# KiCad board TRS80_Model_I_Jap20_E1.kicad_pcb (continued)
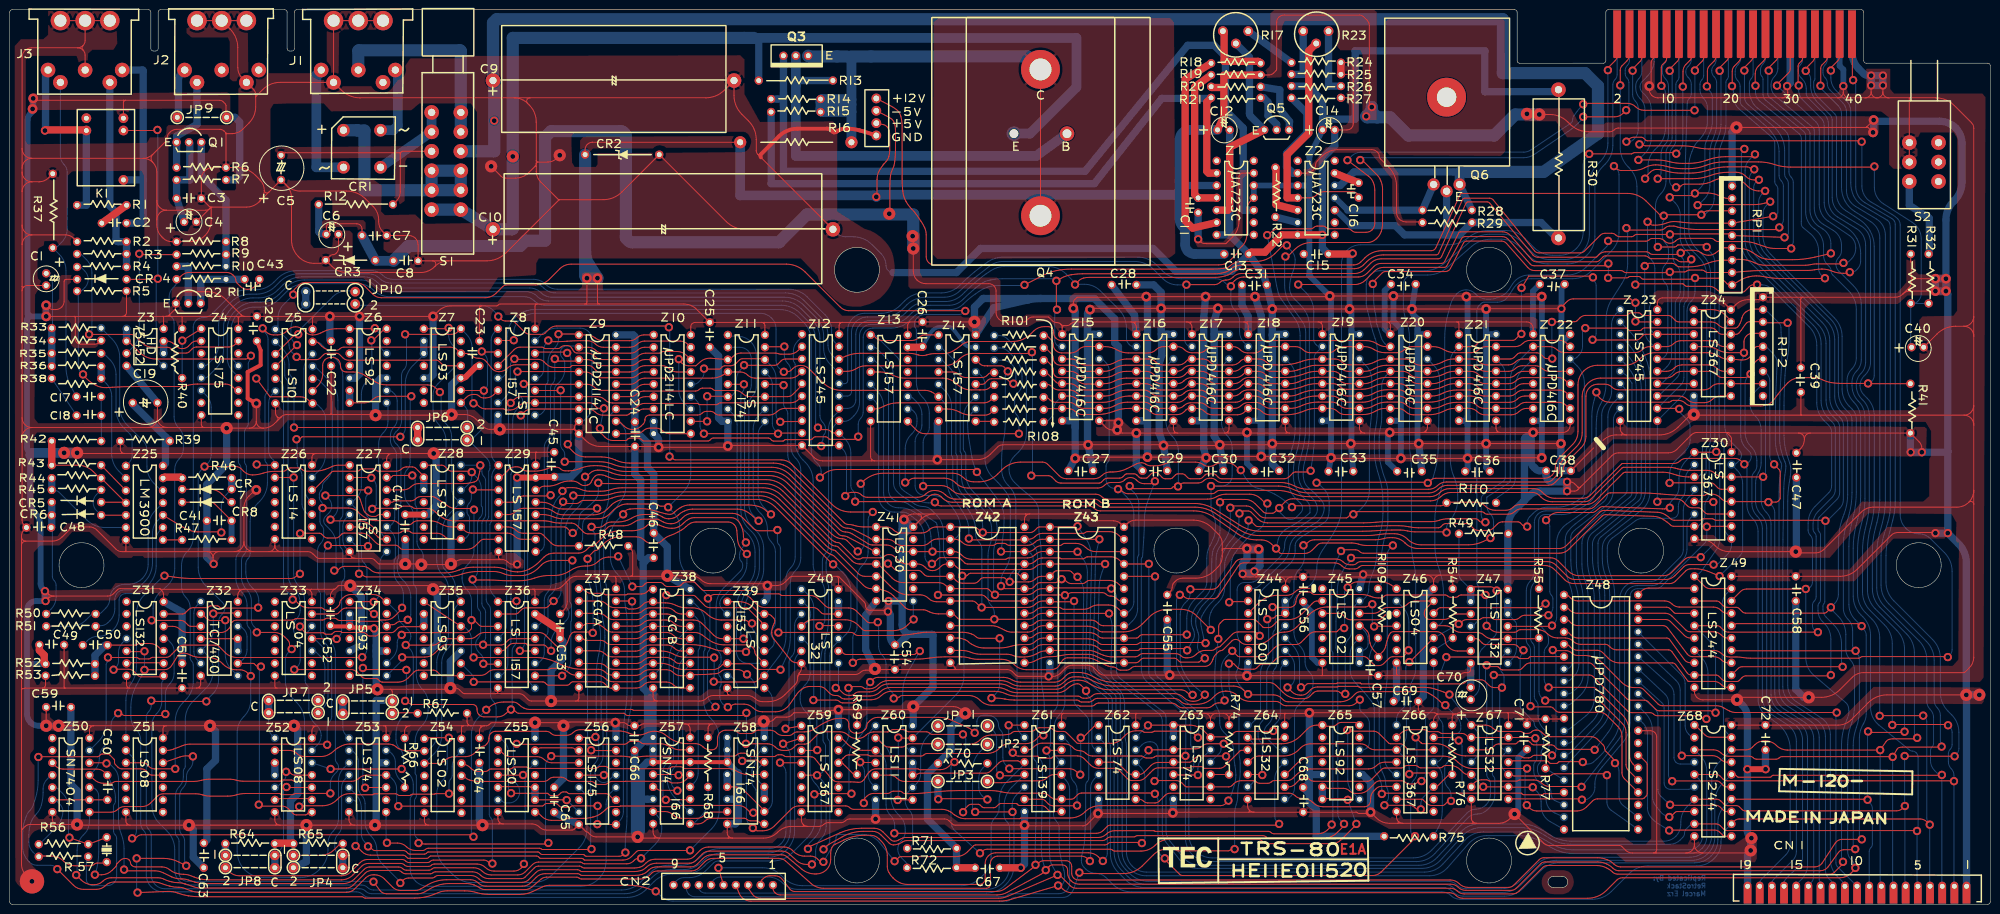
[diagram p0: board, top side]
## Routing (per net, layer and track width the routed paths; a pad name or vN(x,y) marks a point on that pad's centre or on a via; arc(x,y) is an arc through that point) (continued)
Net-(Z48-~{M1}): length 94.9
  Top w0.2: Z48.27 334.76,30.63 arc(334.86,30.6) 334.95,30.55 336.3,29.2 arc(336.45,28.98) 336.5,28.72 336.5,22.76 arc(336.44,22.49) 336.29,22.27 335.9,21.88 arc(335.69,21.73) 335.44,21.69 326.31,21.69 arc(325.75,21.57) 325.27,21.25 324.03,20.01 arc(323.13,19.41) 322.06,19.2 313.8,19.2 arc(313.02,19.35) 312.35,19.79 v2(311.76,20.39) ; 262,26.69 262.11,26.69 arc(262.22,26.71) 262.31,26.77 264.42,28.88 arc(266.18,30.06) 268.27,30.47 294.57,30.47 arc(296.23,30.14) 297.64,29.2 arc(299.04,28.26) 300.7,27.93 v2(311.81,27.93)
  Bottom w0.2: v2(311.76,20.39) 311.58,20.57 arc(311.45,20.76) 311.4,21 311.4,27.24 arc(311.45,27.51) 311.61,27.73 v2(311.81,27.93)
Net-(Z48-~{NMI}): length 72.5
  Top w0.2: v2(281.96,22.7) 282.04,22.78 arc(282.12,22.83) 282.22,22.85 310.6,22.85 arc(310.64,22.85) 310.67,22.83 310.83,22.66 arc(310.99,22.56) 311.17,22.52 314.96,22.52 arc(315.03,22.54) 315.08,22.57 315.2,22.69 arc(315.27,22.74) 315.35,22.75 318.97,22.75 arc(319.14,22.79) 319.28,22.88 Z48.17
  Bottom w0.2: Z45.10 276.41,53.8 arc(275.71,52.75) 275.46,51.5 275.46,48.33 arc(275.77,46.76) 276.67,45.42 arc(277.84,44.18) 278.94,42.88 279.82,41.79 arc(280.26,40.99) 280.41,40.08 280.41,27.95 arc(280.53,27.37) 280.86,26.88 arc(281.25,26.4) 281.52,25.85 281.63,25.55 arc(281.88,24.64) 281.96,23.71 v2(281.96,22.7)
Net-(Z48-~{RD}): length 117
  Top w0.2: v2(306.65,44.57) 305.06,44.57 arc(304.51,44.68) 304.05,44.99 303.25,45.79 arc(302.83,46.07) 302.33,46.17 299.77,46.17 arc(299.6,46.14) 299.46,46.04 299.04,45.62 arc(298.72,45.41) 298.34,45.33 277.81,45.33 arc(277.73,45.35) 277.66,45.4 277.57,45.49 arc(277.54,45.5) 277.51,45.51 272.86,45.51 arc(272.78,45.49) 272.71,45.45 arc(272.63,45.4) 272.55,45.38 266.81,45.38 arc(266.66,45.35) 266.53,45.27 266.07,44.81 arc(265.86,44.67) 265.62,44.62 v2(265.35,44.62) ; v2(328.22,26.56) 328.08,26.7 arc(327.92,26.81) 327.74,26.84 317.41,26.84 arc(317.12,26.78) 316.86,26.61 arc(316.61,26.44) 316.31,26.38 309.18,26.38 arc(308.98,26.42) 308.81,26.54 arc(308.64,26.65) 308.44,26.69 307.97,26.69
  Bottom w0.2: v2(328.22,26.56) 328.22,21.03 arc(328.45,20.08) 329.09,19.34 Z48.21 ; Z44.10 263.59,53.3 arc(264.67,51.68) 265.05,49.77 265.05,45.14 arc(265.09,44.94) 265.2,44.77 v2(265.35,44.62) ; 307.97,26.69 307.17,27.49 arc(306.64,28.29) 306.45,29.23 arc(306.64,30.17) 307.17,30.96 307.79,31.59 arc(307.82,31.7) 307.72,31.77 307.46,31.77 arc(307,31.86) 306.6,32.13 306.58,32.15 arc(306.29,32.57) 306.19,33.07 306.19,43.79 arc(306.25,44.09) 306.42,44.34 v2(306.65,44.57) 306.87,44.79 arc(307.03,45.03) 307.08,45.31 307.08,46.72 arc(306.98,47.22) 306.7,47.64 arc(306.42,48.07) 306.32,48.56 306.32,49.49 arc(306.52,50.48) 307.08,51.33 Z47.9
Net-(Z48-~{RESET}): length 72
  Top w0.2: v2(315.62,61.84) 315.47,61.84 arc(315.33,61.81) 315.21,61.73 314.89,61.42 arc(314.43,61.11) 313.88,61 294.05,61 arc(293.77,60.95) 293.53,60.79 293.33,60.58 arc(293.32,60.57) 293.32,60.56 arc(293.31,60.55) 293.31,60.54 Z46.12 ; Z48.26 334.49,28.09 arc(334.35,28.11) 334.23,28.19 333.61,28.81 arc(333.08,29.61) 332.89,30.56 332.89,35.2 arc(332.48,37.29) 331.3,39.05 325.98,44.37 arc(325.7,44.56) 325.37,44.62 316.27,44.62 arc(316.25,44.62) 316.24,44.61 v2(316.23,44.6)
  Bottom w0.2: v2(316.23,44.6) 316.23,44.66 arc(316.22,44.72) 316.18,44.77 315.78,45.17 arc(315.45,45.66) 315.34,46.24 315.34,51.84 arc(315.45,52.42) 315.78,52.91 arc(316.11,53.41) 316.23,53.99 316.23,54.44 arc(316.03,55.44) 315.46,56.28 315.28,56.47 arc(314.57,57.53) 314.32,58.77 314.32,59.56 arc(314.49,60.4) 314.97,61.12 315.59,61.74 arc(315.61,61.77) 315.62,61.8 v2(315.62,61.84)
Net-(Z48-~{WR}): length 106.7
  Top w0.2: v2(262.58,44.6) 263.43,43.75 arc(264.24,43.21) 265.19,43.02 265.49,43.02 arc(266.16,43.15) 266.73,43.53 267.3,44.11 arc(267.96,44.54) 268.73,44.7 272.81,44.7 arc(272.89,44.71) 272.96,44.76 arc(273.03,44.81) 273.11,44.82 276.99,44.82 arc(277.13,44.8) 277.24,44.72 arc(277.35,44.65) 277.48,44.62 290.67,44.62 arc(291.9,44.52) 293.1,44.21 294.72,43.65 arc(294.98,43.53) 295.2,43.35 295.24,43.31 arc(295.42,43.19) 295.63,43.15 v2(295.86,43.15) ; v2(329.88,29.04) 329.61,29.31 329.61,29.57 arc(329.56,29.82) 329.43,30.03 328,31.45 arc(327.8,31.75) 327.73,32.1 arc(327.66,32.45) 327.46,32.75 326.28,33.93 arc(325.7,34.32) 325.01,34.46 316.72,34.46 arc(315.82,34.64) 315.06,35.15 314.82,35.38 arc(314.33,35.72) 313.74,35.83 313.59,35.83 arc(313.14,35.74) 312.76,35.49 arc(312.38,35.24) 311.93,35.15 311.41,35.15 arc(311.14,35.2) 310.92,35.35 arc(310.69,35.5) 310.43,35.55 306.37,35.55 arc(305.53,35.72) 304.81,36.2 arc(304.09,36.68) 303.25,36.85 300.35,36.85
  Bottom w0.2: v2(262.58,44.6) 262.74,44.6 arc(262.88,44.62) 263,44.7 263.46,45.17 arc(263.88,45.8) 264.03,46.55 264.03,48.96 arc(263.78,50.21) 263.08,51.26 Z44.9 ; v2(295.86,43.15) 295.86,43.01 arc(295.88,42.88) 295.96,42.77 296.2,42.53 arc(296.53,42.17) 296.82,41.79 300.01,37.32 arc(300.37,36.86) 300.77,36.44 301.18,36.02 arc(301.79,35.11) 302,34.03 302,32.05 arc(301.79,30.97) 301.18,30.05 Z67.4 ; v2(329.88,29.04) 330.16,28.76 arc(330.56,28.15) 330.71,27.44 330.71,22.09 arc(330.94,21.09) 331.59,20.29 Z48.22
Net-(Z49-OEa): length 187.2
  Top w0.2: v2(341.15,81.55) 340.67,81.55 arc(340.52,81.52) 340.4,81.44 arc(340.27,81.35) 340.12,81.32 340.07,81.32 arc(339.85,81.33) 339.63,81.33 327.31,81.8 arc(327.04,81.76) 326.8,81.62 325.86,80.83 arc(325.55,80.65) 325.2,80.59 318.19,80.59 arc(317.25,80.4) 316.44,79.86 315.76,79.18 arc(315.73,79.14) 315.72,79.08 v2(315.72,79.01) ; v2(287.6,49.83) 287.64,49.83 arc(287.68,49.84) 287.71,49.86 Z46.10 ; v2(350.7,93.06) 350.66,93.02 arc(350.62,92.99) 350.57,92.98 Z30.1 ; 346.2,36.85 346.28,36.85 arc(346.35,36.83) 346.41,36.8 348.34,34.86 arc(348.9,34.49) 349.55,34.36 353.73,34.36 arc(353.77,34.35) 353.79,34.33 353.82,34.31 ; Z49.1 346.21,67.46 arc(346.22,67.45) 346.23,67.45 348.26,65.42 arc(348.82,65.05) 349.48,64.92 Z49.19 ; v2(297.76,57.65) 297.84,57.65 arc(297.91,57.67) 297.97,57.71 298.37,58.1 arc(298.87,58.44) 299.46,58.56 301.92,58.56 arc(302.18,58.61) 302.39,58.75 arc(302.61,58.9) 302.86,58.95 304.32,58.95 arc(304.57,58.9) 304.79,58.75 arc(305,58.61) 305.26,58.56 309.24,58.56 arc(309.82,58.67) 310.32,59.01 arc(310.82,59.34) 311.4,59.46 v2(316.2,59.46)
  Bottom w0.2: 353.82,34.31 352.99,35.13 arc(352.38,36.05) 352.17,37.13 352.17,40.1 arc(352.14,40.26) 352.04,40.41 arc(351.95,40.55) 351.92,40.71 351.92,61.66 arc(352.16,62.91) 352.87,63.96 Z49.19 ; v2(350.7,93.06) 351.05,92.7 arc(351.31,92.31) 351.41,91.85 351.41,75.14 arc(351.23,73.99) 350.72,72.94 347.72,68.63 arc(347.29,68.15) 346.77,67.77 Z49.1 ; v2(341.15,81.55) 341.15,82.07 arc(341.24,82.55) 341.51,82.96 342.09,83.53 arc(342.78,84.58) 343.02,85.8 343.02,87.56 arc(343.44,89.64) 344.61,91.4 Z30.1 ; v2(287.6,49.83) 287.25,49.47 arc(286.98,49.08) 286.89,48.61 286.89,41.57 arc(286.77,40.96) 286.42,40.45 285.75,39.77 arc(285.18,38.93) 284.99,37.93 Z66.1 ; v2(316.2,59.46) 316.66,59.91 arc(317,60.42) 317.12,61.02 317.12,62.82 arc(317.03,63.23) 316.8,63.58 arc(316.56,63.93) 316.48,64.35 316.48,77.71 arc(316.38,78.21) 316.1,78.63 v2(315.72,79.01) ; v2(297.76,57.65) Z46.10
Net-(Z50-Pad10): length 139.9
  Top w0.2: v2(105.66,8.3) 105.66,8.16 arc(105.64,8.03) 105.56,7.92 105.07,7.42 arc(104.4,6.98) 103.62,6.83 99.52,6.83 arc(98.58,7.01) 97.78,7.55 arc(96.97,8.09) 96.03,8.27 87.23,8.27 arc(86.92,8.21) 86.65,8.03 arc(86.38,7.85) 86.07,7.79 81.84,7.79 arc(81.44,7.87) 81.1,8.1 arc(80.76,8.32) 80.36,8.4 73.67,8.4 arc(72.95,8.26) 72.35,7.85 70.5,6.01 arc(69.41,5.28) 68.12,5.02 40.94,5.02 arc(39.4,5.17) 37.91,5.59 37.16,5.89 arc(36.43,6.1) 35.69,6.17 35.66,6.17 arc(34.93,6.22) 34.22,6.39 arc(33.54,6.67) 32.93,7.06 32.82,7.15 arc(32.08,7.55) 31.25,7.69 25.81,7.69 arc(25.43,7.77) 25.11,7.98 25.01,8.08 arc(24.87,8.3) 24.81,8.55 arc(24.76,8.81) 24.62,9.03 24.52,9.12 arc(24.2,9.34) 23.82,9.42 23.67,9.42 arc(23.15,9.31) 22.72,9.02 22.04,8.35 arc(21.95,8.21) 21.92,8.05 arc(21.89,7.88) 21.79,7.74 21.02,6.97 arc(20.02,6.3) 18.84,6.06 17.54,6.06 arc(17.53,6.07) 17.51,6.08 v2(17.5,6.09) ; v2(105.48,26.59) 105.47,26.57 arc(105.46,26.57) 105.44,26.56 Z55.4
  Bottom w0.2: v2(105.66,8.3) 105.79,8.43 arc(105.88,8.57) 105.92,8.73 105.92,25.85 arc(105.86,26.13) 105.7,26.37 v2(105.48,26.59) 105.48,26.61 arc(105.49,26.64) 105.5,26.66 Z55.12 ; v2(17.5,6.09) 17.73,6.8 arc(17.93,7.52) 18.07,8.25 18.12,8.59 arc(18.24,9.67) 18.29,10.76 18.29,22.29 arc(18.15,22.95) 17.78,23.51 17.58,23.71 arc(17.24,23.94) 16.83,24.02 16.38,24.02
Net-(Z52-Pad3): length 2.5
  Bottom w1.5: Z52.3 Z52.4
Net-(Z52-Pad6): length 7.8
  Top w0.2: Z52.6 54.99,21.48 arc(55.15,21.52) 55.29,21.61 arc(55.43,21.7) 55.6,21.74 61.67,21.74 arc(61.83,21.7) 61.97,21.61 Z52.9
Net-(Z52-Pad11): length 9.8
  Top w0.2: Z52.11 58.6,26.56 arc(58.15,26.65) 57.77,26.9 57.65,27.02 arc(57.4,27.19) 57.11,27.25 v2(56.79,27.25)
  Bottom w0.2: Z52.5 54.67,24.02 arc(54.85,24.06) 55,24.16 56.33,25.49 arc(56.67,26) 56.79,26.6 v2(56.79,27.25)
Net-(Z53B-~{R}): length 9.2
  Bottom w0.2: R66.1 81.15,24.34 arc(81.09,24.63) 80.93,24.88 80.2,25.61 arc(79.49,26.66) 79.25,27.91 79.25,29.26 arc(79.06,30.17) 78.55,30.94 78.03,31.46 arc(77.83,31.6) 77.59,31.64 Z53.13
Net-(Z56-D1): length 77.6
  Top w0.2: Z54.1 85.6,34.06 arc(85.71,34.08) 85.81,34.14 85.91,34.25 arc(85.93,34.25) 85.94,34.26 v2(90.24,34.26)
  Bottom w0.2: v2(90.24,34.26) 90.08,34.09 arc(89.96,33.91) 89.91,33.69 89.91,27.96 arc(89.63,26.55) 88.83,25.36 arc(88.04,24.16) 87.75,22.75 87.75,11.67 arc(88.17,9.59) 89.35,7.82 91.11,6.06 arc(92.88,4.88) 94.96,4.46 107.6,4.46 arc(109.68,4.88) 111.45,6.06 117.02,11.63 arc(118.2,13.4) 118.62,15.48 118.62,21.2 arc(118.4,22.28) 117.79,23.2 Z56.5
Net-(Z57-Clk): length 164.5
  Top w0.2: v2(19.89,28.97) 19.82,29.04 arc(19.75,29.09) 19.67,29.1 16.38,29.1 ; v2(129.74,9.44) 129.23,9.44 arc(128.76,9.35) 128.37,9.08 128.17,8.88 arc(127.55,8.47) 126.82,8.32 118.11,8.32 arc(117.87,8.37) 117.68,8.5 arc(117.48,8.63) 117.25,8.68 108.65,8.68 arc(108,8.55) 107.45,8.19 105.93,6.66 arc(105.24,6.2) 104.42,6.04 98.91,6.04 arc(97.94,6.23) 97.13,6.78 arc(96.31,7.32) 95.35,7.51 87.38,7.51 arc(87.05,7.45) 86.76,7.26 arc(86.48,7.07) 86.15,7 81.54,7 arc(81.11,7.09) 80.74,7.33 arc(80.38,7.58) 79.95,7.66 73.97,7.66 arc(73.35,7.54) 72.83,7.19 70.87,5.23 arc(69.79,4.51) 68.53,4.26 40.02,4.26 arc(39.12,4.32) 38.24,4.5 38.03,4.56 arc(37.37,4.76) 36.71,4.98 arc(36.06,5.17) 35.37,5.23 35.11,5.23 arc(34.18,5.33) 33.3,5.63 33.16,5.69 arc(32.35,6.08) 31.54,6.48 arc(30.71,6.78) 29.83,6.88 23.93,6.88 arc(23.76,6.91) 23.62,7 v2(23.49,7.13) ; 132.2,19.07 134.68,19.07 arc(135.58,18.89) 136.35,18.37 arc(137.12,17.86) 138.03,17.68 141.21,17.68 arc(142.05,17.85) 142.76,18.32 arc(143.48,18.8) 144.32,18.97 147.27,18.97 arc(147.34,18.98) 147.39,19.02 147.44,19.07
  Bottom w0.2: v2(129.74,9.44) 132.71,12.41 arc(133.65,13.82) 133.98,15.49 133.98,16.03 arc(133.75,17.2) 133.09,18.18 132.2,19.07 ; v2(23.49,7.13) 23.49,11.4 arc(23.35,12.95) 22.92,14.43 arc(22.49,15.92) 22.35,17.46 22.35,25.72 arc(22.1,26.97) 21.4,28.02 20.64,28.78 arc(20.42,28.92) 20.17,28.97 v2(19.89,28.97)
Net-(Z57-Clr): length 25.1
  Top w0.2: Z58.9 154.75,16.53 arc(154.45,16.59) 154.21,16.75 154.11,16.85 arc(153.76,17.08) 153.35,17.16 152.19,17.16 arc(151.84,17.23) 151.55,17.43 arc(151.25,17.63) 150.9,17.7 144.26,17.7 arc(143.49,17.55) 142.85,17.11 arc(142.2,16.68) 141.44,16.53 Z57.9
  Bottom w0.2: R68.1 143.51,21.73 arc(143.11,19.74) 141.98,18.05 140.68,16.75 arc(140.44,16.59) 140.14,16.53 Z57.9
Net-(Z57-PE): length 52.6
  Top w0.2: v2(104.16,32.99) 104.2,32.95 arc(104.24,32.92) 104.29,32.91 126.24,32.91 arc(126.63,32.99) 126.97,33.22 arc(127.31,33.44) 127.71,33.52 129.08,33.52 arc(129.41,33.46) 129.69,33.27 arc(129.97,33.08) 130.3,33.01 133.74,33.01 arc(134.35,32.95) 134.94,32.77 arc(135.5,32.52) 136.05,32.23 136.21,32.15 arc(136.93,31.87) 137.7,31.77 Z57.15
  Bottom w0.2: Z55.6 100.65,21.48 arc(100.94,21.42) 101.19,21.26 101.28,21.16 arc(101.63,20.93) 102.05,20.85 102.6,20.85 arc(103.43,21.01) 104.14,21.48 arc(104.61,22.19) 104.77,23.02 104.77,23.25 arc(104.61,24.08) 104.14,24.78 arc(103.67,25.49) 103.5,26.32 103.5,31.86 arc(103.59,32.29) 103.83,32.66 v2(104.16,32.99)
Net-(Z57-Qh): length 48.9
  Top w0.2: Z54.11 93.04,26.44 arc(93.23,26.4) 93.39,26.29 93.62,26.06 arc(94.03,25.75) 94.5,25.55 94.81,25.48 arc(95.64,25.32) 96.47,25.27 109.72,25.27 arc(110.29,25.38) 110.77,25.7 arc(111.25,26.02) 111.81,26.13 113.36,26.13 arc(113.92,26.02) 114.4,25.7 arc(114.88,25.38) 115.44,25.27 119.43,25.27 arc(119.83,25.19) 120.17,24.96 arc(120.5,24.74) 120.9,24.66 122.27,24.66 arc(122.67,24.74) 123.01,24.96 arc(123.35,25.19) 123.75,25.27 126.42,25.27 arc(126.44,25.27) 126.46,25.28 arc(126.47,25.3) 126.5,25.3 135.29,25.3 arc(135.51,25.26) 135.69,25.13 arc(135.88,25.01) 136.1,24.96 137.27,24.96 arc(138.25,25.16) 139.08,25.71 139.74,26.38 arc(139.8,26.47) 139.82,26.57 139.82,26.69
Net-(Z58-PE): length 61.3
  Top w0.2: v2(152.8,18.84) 152.51,18.84 arc(152.24,18.89) 152.01,19.05 151.47,19.59 arc(150.64,20.14) 149.66,20.34 138,20.34 arc(137.83,20.31) 137.69,20.21 arc(137.55,20.12) 137.38,20.09 134.13,20.09 arc(134.04,20.1) 133.97,20.15 arc(133.89,20.2) 133.8,20.22 125.53,20.22 arc(125.46,20.21) 125.4,20.17 arc(125.34,20.12) 125.27,20.11 123.72,20.11 arc(123.38,20.07) 123.05,19.94 arc(122.75,19.75) 122.49,19.52 122.39,19.42 arc(122.03,19.09) 121.64,18.79 121.41,18.62 arc(120.75,18.24) 120.02,17.99 119.8,17.93 arc(118.81,17.74) 117.81,17.67 114.56,17.67 arc(114.29,17.62) 114.07,17.47 arc(113.84,17.32) 113.58,17.27 111.32,17.27 arc(110.22,17.48) 109.29,18.1 108.64,18.76 arc(108.44,18.9) 108.2,18.94 Z55.8
  Bottom w0.2: Z58.15 154.81,31.77 arc(154.58,31.72) 154.38,31.59 153.79,31 arc(153.32,30.3) 153.16,29.48 153.16,29.04 arc(153.08,28.63) 152.84,28.28 arc(152.61,27.92) 152.53,27.51 152.53,25.16 arc(152.64,24.58) 152.97,24.09 arc(153.3,23.59) 153.41,23.01 153.41,19.88 arc(153.33,19.48) 153.11,19.15 v2(152.8,18.84)
Net-(Z58-Qh): length 63.7
  Top w0.2: Z54.12 93.51,28.77 arc(94.15,28.48) 94.7,28.05 94.81,27.94 arc(95.49,27.48) 96.3,27.32 97.73,27.32 arc(98.07,27.39) 98.35,27.58 arc(98.63,27.77) 98.96,27.83 102.81,27.83 arc(103.07,27.88) 103.3,28.04 arc(103.52,28.19) 103.79,28.24 106.14,28.24 arc(106.33,28.2) 106.49,28.09 arc(106.65,27.99) 106.84,27.95 120.4,27.95 arc(120.67,28) 120.9,28.16 arc(121.13,28.31) 121.4,28.37 122.34,28.37 arc(122.65,28.3) 122.92,28.12 arc(123.19,27.95) 123.5,27.88 135.27,27.88 arc(135.54,27.94) 135.76,28.09 arc(135.99,28.24) 136.25,28.29 137.88,28.29 arc(138.13,28.24) 138.34,28.1 arc(138.55,27.96) 138.8,27.91 147.74,27.91 arc(148.44,27.82) 149.09,27.55 149.12,27.53 arc(149.73,27.21) 150.36,26.94 arc(151.01,26.75) 151.69,26.69 155.06,26.69
Net-(Z60-Pad1): length 13.7
  Bottom w0.2: Z60.1 177.16,35.96 arc(176.6,35.12) 176.4,34.12 176.4,26.62 arc(176.6,25.63) 177.16,24.78 Z60.6
Net-(Z61A-E): length 62.4
  Top w0.2: Z64.3 253.87,31.77 arc(253.82,31.76) 253.78,31.73 253.73,31.68 arc(253.72,31.67) 253.7,31.67 253.06,31.67 arc(252.94,31.64) 252.84,31.58 249.7,28.43 arc(249.17,28.08) 248.55,27.96 245.47,27.96 arc(245.37,27.98) 245.29,28.04 245.11,28.21 arc(245,28.29) 244.86,28.31 242.95,28.31 arc(242.78,28.28) 242.64,28.19 arc(242.5,28.09) 242.34,28.06 236.04,28.06 arc(235.43,27.94) 234.91,27.59 233.38,26.06 arc(232.7,25.61) 231.89,25.44 230.64,25.44 arc(230.11,25.55) 229.67,25.85 227.82,27.69 arc(227.53,27.89) 227.18,27.96 223.79,27.96 arc(222.86,28.14) 222.07,28.67 220.79,29.95 arc(220.15,30.38) 219.41,30.52 214.79,30.52 arc(214.59,30.48) 214.42,30.37 214.18,30.13 arc(214.09,30.06) 213.97,30.04 211.9,30.04 arc(211.7,30.08) 211.53,30.19 211.31,30.41 arc(211.24,30.46) 211.16,30.47 207.33,30.47 arc(206.87,30.57) 206.47,30.83 v2(206.12,31.18) ; v2(205.28,36.82) 205.29,36.84 arc(205.31,36.85) 205.32,36.85 Z61.1
  Bottom w0.2: v2(206.12,31.18) 205.7,31.6 arc(205.39,32.07) 205.28,32.62 v2(205.28,36.82)
Net-(Z61A-O3): length 26.5
  Top w0.2: v2(219.33,20.31) 219.3,20.29 arc(219.27,20.27) 219.24,20.26 214.37,20.26 arc(213.86,20.37) 213.42,20.66 212.75,21.33 arc(212.44,21.54) 212.07,21.61 Z61.7
  Bottom w0.2: Z61.15 216.34,34.31 arc(216.52,34.27) 216.67,34.17 217.29,33.55 arc(217.86,32.7) 218.06,31.71 218.06,26.7 arc(218.22,25.87) 218.69,25.16 arc(219.16,24.46) 219.33,23.63 v2(219.33,20.31)
Net-(Z62A-D): length 323.8
  Top w0.2: Z51.11 29.24,26.56 arc(28.93,26.62) 28.66,26.8 28.01,27.45 arc(27.56,27.75) 27.03,27.86 23.06,27.86 arc(22.62,27.95) 22.24,28.2 21.71,28.72 arc(21.58,28.92) 21.54,29.15 21.54,29.64 arc(21.52,29.73) 21.47,29.81 20.58,30.7 arc(20.35,30.85) 20.08,30.91 18.99,30.91 arc(18.81,30.87) 18.65,30.77 18.37,30.49 arc(18.22,30.38) 18.04,30.35 5.98,30.35 arc(5.94,30.34) 5.92,30.32 v2(5.89,30.3) ; v2(224.64,8.91) 224.6,8.91 arc(224.56,8.92) 224.53,8.94 223.72,9.75 arc(222.79,10.37) 221.7,10.59 202.62,10.59 arc(201.79,10.42) 201.09,9.95 arc(200.62,9.25) 200.45,8.42 200.45,5.3 arc(200.36,4.83) 200.1,4.44 arc(199.71,4.18) 199.24,4.08 184.49,4.08 arc(183.66,4.18) 182.87,4.46 182.79,4.5 arc(182.14,4.88) 181.56,5.37 181.52,5.42 arc(181.06,5.94) 180.68,6.52 arc(180.43,7.15) 180.34,7.83 180.34,10.03 arc(180.02,11.62) 179.12,12.97 178.61,13.48 arc(177.82,14.01) 176.9,14.19 175.65,14.19 arc(173.46,13.94) 171.39,13.2 169.65,12.35 arc(169.22,12.03) 168.93,11.58 arc(168.76,11.06) 168.7,10.51 168.7,9.19 arc(168.48,8.06) 167.84,7.11 arc(166.88,6.47) 165.76,6.24 165.47,6.24 arc(164.05,6.49) 162.79,7.21 159.71,9.78 arc(159.19,10.08) 158.61,10.18 144.28,10.18 arc(143.29,9.98) 142.44,9.42 141.25,8.23 arc(140.66,7.83) 139.95,7.69 133.06,7.69 arc(132.59,7.65) 132.14,7.54 arc(131.71,7.35) 131.35,7.06 131.18,6.89 arc(130.62,6.45) 129.98,6.16 129.98,6.16 arc(129.28,5.99) 128.56,5.94 117.6,5.94 arc(117.37,5.98) 117.17,6.12 arc(116.97,6.25) 116.74,6.29 110.02,6.29 arc(109.02,6.09) 108.18,5.53 107.11,4.47 arc(106.29,3.92) 105.33,3.73 97.88,3.73 arc(97.02,3.9) 96.29,4.39 arc(95.56,4.88) 94.7,5.05 89.82,5.05 arc(87.73,4.77) 85.79,3.94 84.45,3.15 arc(83.9,2.92) 83.3,2.84 80.3,2.84 arc(79.44,3.01) 78.72,3.49 76.98,5.23 arc(76.06,5.85) 74.97,6.06 74.68,6.06 arc(73.85,5.9) 73.15,5.43 70.84,3.12 arc(70.11,2.63) 69.24,2.46 39.07,2.46 arc(38.24,2.52) 37.42,2.72 37.23,2.78 arc(36.62,2.99) 36.02,3.24 arc(35.42,3.43) 34.79,3.5 34.61,3.5 arc(33.79,3.55) 32.98,3.7 32.86,3.74 arc(32.01,3.98) 31.18,4.27 arc(30.34,4.51) 29.47,4.59 21.5,4.59 arc(20.5,4.39) 19.66,3.83 arc(18.81,3.27) 17.82,3.07 15.14,3.07 arc(14.03,3.29) 13.1,3.91 v2(9.78,7.23)
  Bottom w0.2: v2(5.89,30.3) 5.87,30.27 arc(5.85,30.24) 5.84,30.21 5.84,25.48 arc(5.69,23.54) 5.24,21.64 4.85,20.45 arc(4.56,19.81) 4.13,19.26 arc(3.69,18.71) 3.38,18.07 3.14,17.39 arc(2.78,16) 2.66,14.58 2.66,11.62 arc(2.75,10.83) 3.01,10.08 arc(3.42,9.39) 3.94,8.78 4.03,8.69 arc(4.77,8.19) 5.64,8.02 8.43,8.02 arc(8.95,7.92) 9.38,7.63 v2(9.78,7.23) ; 223.77,34.31 224.66,33.42 arc(225.32,32.44) 225.55,31.27 225.55,10.47 arc(225.43,9.87) 225.09,9.37 v2(224.64,8.91)
Net-(Z62A-Q): length 281.7
  Top w0.2: v2(41.83,59.79) 41.9,59.85 arc(41.97,59.9) 42.05,59.91 46.18,59.91 arc(46.2,59.91) 46.21,59.9 46.31,59.8 arc(46.41,59.73) 46.53,59.71 Z32.13 ; v2(221.97,8.88) 221.46,9.39 arc(220.9,9.77) 220.23,9.9 203.04,9.9 arc(202.46,9.78) 201.97,9.46 arc(201.64,8.96) 201.52,8.38 201.52,4.12 arc(201.46,3.8) 201.28,3.54 arc(201.01,3.36) 200.7,3.3 167.19,3.3 arc(165.88,3.54) 164.73,4.23 159.4,8.93 arc(158.77,9.31) 158.05,9.44 144.51,9.44 arc(143.63,9.27) 142.89,8.77 141.62,7.5 arc(140.9,7.02) 140.05,6.85 133.19,6.85 arc(132.84,6.83) 132.5,6.76 arc(132.19,6.62) 131.92,6.41 131.44,5.93 arc(130.63,5.39) 129.67,5.2 117.46,5.2 arc(117.21,5.25) 117,5.39 arc(116.79,5.53) 116.54,5.58 110.33,5.58 arc(109.69,5.47) 109.13,5.14 107.31,3.56 arc(106.63,3.16) 105.84,3.02 97.74,3.02 arc(97.13,3.11) 96.58,3.38 arc(96.04,3.71) 95.45,3.96 95.33,4 arc(94.6,4.2) 93.85,4.26 90.3,4.26 arc(88.28,3.99) 86.41,3.21 85.34,2.58 arc(84.58,2.26) 83.76,2.15 77.47,2.15 arc(76.68,2.34) 76.05,2.87 v2(74.75,4.64)
  Bottom w0.2: 223.77,26.69 222.95,25.86 arc(222.34,24.95) 222.12,23.87 222.12,9.14 arc(222.1,9.04) 222.04,8.96 v2(221.97,8.88) ; v2(74.75,4.64) 74.71,4.68 arc(74.67,4.71) 74.62,4.72 36.53,4.72 arc(35.87,4.85) 35.3,5.23 arc(34.93,5.79) 34.8,6.45 34.8,12.94 arc(34.7,13.44) 34.41,13.86 arc(34.13,14.28) 34.03,14.78 34.03,22.22 arc(34.25,23.3) 34.86,24.21 arc(35.47,25.13) 35.69,26.21 35.69,27.44 arc(35.73,27.68) 35.88,27.9 arc(36.02,28.11) 36.07,28.36 36.07,37.9 arc(36.48,39.98) 37.66,41.74 40.3,44.38 arc(41.4,46.03) 41.78,47.96 41.78,48.62 arc(41.52,49.95) 40.77,51.07 39.93,51.91 arc(39.73,52.04) 39.5,52.09 arc(39.4,52.15) 39.42,52.27 40.54,53.38 arc(41.5,54.82) 41.83,56.51 v2(41.83,59.79)
Net-(Z63A-Q): length 11.2
  Top w0.2: v2(244.17,26.59) 240.18,26.59 arc(240.11,26.6) 240.05,26.64 arc(240,26.68) 239.93,26.69 239.14,26.69
  Bottom w0.2: Z63.12 245.08,30.09 arc(244.41,29.08) 244.17,27.88 v2(244.17,26.59)
Net-(Z64-Pad13): length 19.2
  Top w0.2: 262,34.31 261.7,34.31 arc(261.48,34.27) 261.3,34.14 arc(261.12,34.02) 260.9,33.98 254.94,33.98 arc(254.73,34.02) 254.54,34.14 254.38,34.31
  Bottom w0.2: Z64.6 254.51,24.15 arc(254.62,24.17) 254.72,24.24 255.27,24.78 arc(255.74,25.49) 255.9,26.32 255.9,31.71 arc(255.7,32.7) 255.14,33.55 254.38,34.31

## Copper pours and planes (outline as drawn; the poured copper is in the pictures)
+5V on Top: outline of 140 points within 6.6,114.45 200.66,129.94
+5V on Top: 352.42,35.96 352.42,38.12 352.68,38.37 374.52,38.37 374.77,38.12 375.16,37.99 375.66,37.99 376.3,38.12 376.81,38.5 383.03,44.72 404.87,44.6 405.64,44.09 405.64,41.68 405.25,41.17 383.28,41.29 377.7,35.96
+5V on Top: 11.17,94 11.17,91.71 61.09,91.71 61.34,91.33 61.47,90.57 62.86,90.57 63.12,91.21 63.37,91.71 76.45,91.71 76.71,90.95 76.71,90.44 78.36,90.44 78.48,91.21 78.74,91.71 106.93,91.84 107.19,91.08 107.31,90.32 108.84,90.32 108.96,91.33 109.22,91.97 111.89,91.97 111.76,94 24.26,94 23.49,94.76 22.86,95.27 21.71,94.76 21.08,94
+5V on Top: outline of 91 points within 6.47,59.07 181.23,73.93
+5V on Top: 353.69,68.34 354.45,68.85 378.08,68.85 385.82,77.62 397.51,77.62 398.27,76.35 397.63,75.2 387.09,75.2 379.09,66.44 354.58,66.44 353.69,66.95
+5V on Top: 311.02,161.44 311.02,163.47 311.4,163.72 320.8,163.72 322.58,160.42 327.53,160.42 328.04,160.8 335.28,160.8 336.68,162.2 345.31,162.2 345.56,161.94 345.95,161.82 346.58,161.82 346.96,161.94 347.22,162.2 383.54,162.07 384.05,161.56 384.05,158.64 383.54,158.13 330.2,158.39 329.69,157.75 320.04,157.75 317.75,161.06 311.4,161.06
+5V on Top: 257.05,171.47 257.94,171.47 258.82,172.23 259.08,172.74 259.08,183.28 259.97,184.04 280.29,184.04 280.92,183.53 280.92,161.44 280.67,161.31 278.25,161.31 278,161.69 278,174.64 277.62,175.66 273.43,175.66 272.79,176.42 272.79,181.25 272.41,181.63 262,181.63 261.49,180.61 261.36,170.2 261.11,170.07 257.05,169.94
+5V on Top: 223.26,99.84 228.22,99.84 230.38,97.94 237.74,97.94 238.63,99.33 239.9,99.33 240.92,97.94 249.55,97.94 250.31,99.21 251.33,99.21 252.35,97.94 260.73,97.94 261.36,98.82 261.36,99.33 262.89,99.33 263.65,98.06 276.22,98.06 276.6,98.7 276.6,99.33 278.76,99.33 279.02,98.57 279.65,97.94 290.07,98.06 290.7,98.7 290.7,99.33 292.35,99.33 293.37,98.06 304.29,98.06 304.67,98.82 304.8,99.33 305.94,99.33 306.58,98.06 319.66,98.19 319.91,98.57 319.91,99.46 321.56,99.46 321.56,97.3 320.93,96.54 223.65,96.28 223.26,96.67
+5V on Top: 315.21,64.92 315.21,68.85 277.87,68.85 277.24,68.34 274.32,68.34 273.3,68.85 253.87,68.98 253.24,68.6 253.24,66.95 253.49,66.69 261.11,66.57 261.24,65.04 263.01,65.04 263.14,66.19 263.4,66.69 275.46,66.57 276.22,66.95 283.59,67.07 284.35,66.57 291.59,66.57 291.84,65.81 291.84,65.04 293.5,65.04 293.5,65.93 293.88,66.57 295.4,66.57 295.78,65.93 295.78,65.17 297.31,65.17 297.56,66.06 297.81,66.57 306.83,66.57 307.08,66.06 307.08,65.17 308.74,65.17 308.86,65.93 309.24,66.69 313.31,66.69 313.56,66.19 313.56,64.92
+5V on Top: 4.06,163.34 4.06,166.52 4.57,166.77 5.97,166.77 6.47,166.39 25.02,166.39 25.4,166.9 44.7,167.02 45.34,166.26 45.34,162.2 43.56,162.2 43.56,163.59 43.3,163.72 24.64,163.59 24.13,162.07 22.22,162.07 21.84,163.47
+5V on Top: outline of 183 points within 6.47,34.31 319.91,41.93
+5V on Top: 339.6,123.34 339.6,121.94 339.09,121.43 338.07,121.43 337.82,121.69 337.82,125.75 338.58,126.26 349.38,126.13 351.53,125.11 356.74,124.99 358.77,126 387.86,125.75 389.76,127.91 389.76,133.88 391.54,133.88 391.67,130.19 392.3,129.56 398.14,129.56 398.9,128.92 398.9,126 398.14,125.24 390.01,125.24 387.98,123.46 369.95,123.59 368.93,122.57 368.93,110.38 367.15,110.38 367.15,123.08 366.52,123.59 357.25,123.72 354.71,122.07 353.44,122.07 350.52,123.84 339.98,123.84
+5V on Top: 184.28,78.12 183,78.76 183,80.79 183.64,81.3 221.99,81.3 223.01,80.28 245.11,80.16 253.87,74.19 256.41,74.19 257.05,73.04 256.41,72.03 251.84,72.03 247.9,66.19 239.9,66.19 238.63,63.39 237.11,63.9 238.88,67.71 244.47,67.71 246.38,69.87 246.38,76.47 244.35,77.74 221.87,77.62 220.09,79.14 209.68,79.27 209.55,78.76 209.55,77.74 207.77,77.74 207.77,78.89 207.52,79.14 188.59,79.14 186.56,77.36 184.78,77.36
+5V on Top: 319.15,84.22 319.15,87.4 319.4,87.65 322.58,87.65 329.56,94.76 341.25,94.76 346.07,98.57 393.51,98.19 393.95,97.81 393.82,92.98 393.19,92.09 353.82,92.35 353.06,92.98 353.06,93.75 352.04,95.14 347.47,95.14 346.83,94.76 346.33,94.89 345.69,94.76 345.18,94.51 344.68,94 344.42,93.49 344.42,92.86 342.39,91.33 330.96,91.33 323.98,84.22
+5V on Top: 117.85,157.88 150.11,158.01 150.11,155.59 134.87,155.59 134.62,155.85 134.24,155.97 133.73,156.1 133.35,156.1 132.84,155.97 132.46,155.72 132.2,155.47 119.89,155.47 119.5,155.09 119.12,154.2 117.22,154.2 117.22,157.12
+5V on Bottom: 206,124 204.5,124.5 199.5,124 198.5,122.5 198.5,118 202,122.5
+5V on Bottom: 5.33,166.26 1.39,166.26 0.63,165.37 0.51,36.09 0.76,35.83 11.17,35.83 11.17,38.25 4.95,38.25 5.08,47.9 5.97,48.79 7.24,48.79 7.24,50.31 5.71,50.31 5.08,51.33 4.44,52.85 4.44,54.25 4.95,55.26 6.09,56.15 5.97,60.47 6.22,61.11 6.86,61.49 8,61.49 8.51,62 8.51,64.66 8.25,65.17 7.74,65.42 6.98,65.42 6.98,80.54 5.97,82.31 6.09,119.78 6.86,120.16 8.13,120.16 8.63,120.29 8.76,121.56 8.38,121.94 8.76,122.57 8.76,123.59 8.13,124.1 6.86,124.1 6.35,124.86 5.97,126.13 5.97,165.75
+5V on Bottom: 382.14,158.39 382.27,164.36 382.65,164.74 388.62,164.99 389,165.75 389,170.96 389.51,171.6 406.14,171.72 406.91,171.22 406.27,1.29 401.44,1.29 401.32,40.02 400.43,41.17 400.43,71.14 395.48,75.97 395.35,90.44 394.08,91.59 389.89,91.59 389.89,97.43 394.46,97.43 395.35,98.32 395.48,121.18 396.49,121.81 396.49,123.97 395.35,125.24 395.35,130.19 396.49,131.08 396.49,144.93 397.13,145.18 397.89,145.69 398.52,146.32 399.03,147.08 399.16,147.97 399.16,156.23 398.9,157.25 398.27,158.13 397.38,158.77 396.24,159.28 385.06,159.28 383.79,157.88 382.14,157.88
+5V on Bottom: 310.13,64.03 310.39,79.01 315.34,83.84 321.31,83.71 321.94,83.97 321.94,86.63 320.93,87.52 317.37,87.52 316.61,88.28 316.61,89.94 314.45,89.94 313.43,90.82 313.31,96.79 311.91,96.92 310.64,96.92 310.39,96.41 310.39,84.73 306.96,80.03 306.96,64.03
+5V on Bottom: 188.97,53.74 187.83,54.76 185.16,54.76 184.15,53.87 184.15,52.47 180.08,52.47 180.08,62.76 180.59,63.14 180.85,63.77 180.85,68.34 181.35,68.47 181.86,68.85 182.12,69.36 182.24,69.74 182.24,70.25 182.12,70.76 181.61,71.27 180.85,71.52 180.85,79.52 181.1,79.78 184.15,79.78 185.93,78.5 185.93,76.73 184.66,76.09 184.15,75.58 184.15,57.04 185.04,56.28 189.61,56.28 189.61,53.74
+5V on Bottom: 256.92,73.43 254.12,73.43 254,70.88 253.36,70.12 253.49,67.96 255.52,67.96 256.92,69.62
+5V on Bottom: 250.44,134 250.44,132.1 240.66,132.1 240.03,132.61 240.41,138.32 239.27,139.34 239.27,142.89 238.5,143.78 214.12,143.91 213.61,144.29 212.98,144.55 212.22,144.67 211.45,144.67 210.82,144.55 210.18,144.29 209.55,143.91 149.86,143.91 149.1,144.29 149.1,146.7 239.27,146.83 239.27,159.66 240.03,160.29 248.16,160.29 248.16,157.63 242.82,157.63 241.68,156.1 241.68,148.61 247.9,148.61 247.9,146.7 242.19,146.7 241.68,145.81 241.68,140.23 242.69,139.34 242.69,135.15 243.08,134.77 249.68,134.77
+5V on Bottom: 45,162.5 48.5,162.5 49.5,162 49.5,148.5 49,148 45,148 45,149.5 47.5,149.5 47.5,161.5 45,161.5
+12V on Top: 314.83,92.6 314.83,90.95 233.3,91.33 232.92,91.59 232.03,91.59 231.01,91.08 219.07,91.08 219.07,92.47
+12V on Top: 314.83,124.1 314.83,125.75 311.53,125.75 311.15,125.5 310.64,125.37 310.26,125.37 309.88,125.5 309.5,125.75 218.82,125.75 217.8,124.99 217.8,122.57 219.33,122.57 219.33,123.72 219.71,124.1
-5V on Top: 313.94,117.75 313.94,120.29 313.31,120.8 214.37,120.8 213.74,121.3 208.91,121.3 208.41,120.92 204.21,120.92 203.58,121.56 203.58,128.29 202.82,128.92 187.58,128.92 187.07,129.94 187.07,137.94 186.56,138.32 184.91,138.32 184.66,137.31 184.66,127.15 185.04,126.64 201.04,126.64 201.42,126.26 201.42,119.27 201.93,118.76 209.29,118.76 211.07,119.78 213.61,119.91 214.12,119.65 214.63,119.02 215.77,117.49 217.29,117.49 218.44,118.64 229.61,118.64 231.26,117.11 232.15,117.11 233.42,118.51 241.68,118.51 242.69,116.99 243.46,116.99 244.73,118.51 253.24,118.51 254,117.62 255.4,117.62 256.28,118.51 268.73,118.51 269.24,117.88 271.02,117.88 271.52,118.64 282.19,118.64 283.08,117.62 284.73,117.62 285.75,118.76 296.8,118.76 297.05,118.38 297.05,117.49 298.7,117.49 298.7,118.26 299.08,118.76 312.16,118.76 312.29,118.51 312.42,117.75
-5V on Top: 64.13,140.35 64.51,140.74 72.64,140.74 73.15,140.23 73.15,137.56 71.5,137.56 71.5,139.08 71.25,139.34 65.78,139.34 65.66,139.08 65.66,137.56 64.13,137.56
GND on Top: 221.99,123.21 221.99,121.69 318.89,121.69 318.89,123.34
GND on Top: outline of 100 points within 326.13,40.79 406.02,174.52
GND on Top: outline of 605 points within 1.02,2.29 359.03,183.77
GND on Top: 325.75,95.52 327.4,93.6 322.58,88.92 321.94,89.05 321.31,88.79 320.17,89.68
GND on Top: 272.29,160.17 274.57,160.29 274.95,160.67 275.21,161.31 275.21,164.36 274.95,164.87 273.94,164.99 273.94,166.64 274.7,166.77 275.21,167.28 275.21,169.56 274.83,170.07 272.79,170.07 272.79,174.14 276.73,174.14 277.24,173.63 277.24,159.02 276.73,158.51 272.29,158.64
GND on Bottom: 356.36,2.43 356.36,4.72 355.47,5.73 355.47,40.91 354.58,40.91 354.58,42.94 357.76,42.94 358.14,42.56 358.14,39.39 358.77,38.88 358.9,5.73 357.88,4.46 357.88,2.43
GND on Bottom: 132.2,32.66 128.27,31.64 128.39,25.04 130.17,28.34 132.2,29.36
GND on Bottom: 379.6,177.18 379.6,173.37 380.24,172.74 383.16,171.6 387.6,171.6 387.73,166.64 387.22,166.01 382.52,165.88 381,168.29 380.87,169.94 377.95,172.49 377.82,173.12 377.82,177.18
GND on Bottom: 181.48,130.7 181.35,131.97 181.1,132.86 180.72,133.75 180.21,134.64 179.58,135.4 178.69,136.16 177.93,136.67 176.78,137.18 175.64,137.43 174.24,137.56 170.94,137.56 170.31,138.7 168.91,137.81 169.54,136.8 169.03,135.78 168.65,134.64 167.89,133.24 167.51,131.97 167.38,130.83 167.38,129.69 167.64,128.29 168.15,127.02 169.16,125.62 169.8,124.99 170.56,124.48 171.57,123.97 172.72,123.59 173.8,123.46 174.88,123.46 176.15,123.72 177.29,124.1 178.81,124.99 179.58,125.62 180.08,126.26 180.47,126.89 180.72,127.4 181.23,128.67 181.35,129.31
GND on Bottom: 321.82,88.16 321.82,93.62 319.28,96.79 319.28,122.45 318.13,122.45 317.88,121.81 317.88,120.8 318.13,120.29 318.26,119.91 318.26,119.4 318.13,119.02 317.75,118.51 317.75,113.3 318.01,113.05 318.13,112.54 318.13,111.78 318.01,111.4 317.62,111.02 317.62,88.66 318.01,88.16
(no net) on Top: 321.43,4.59 321.3,5.35 321.17,5.73 320.79,6.37 320.29,6.75 319.4,7 316.74,7 315.84,6.62 315.34,6.12 314.96,5.48 314.83,4.84 314.83,4.21 314.96,3.7 315.21,3.19 315.59,2.69 315.97,2.43 316.48,2.18 317.5,2.05 319.15,2.05 320.29,2.43 320.92,3.07 321.3,3.83
(no net) on Top: 283.59,154.07 282.83,154.83 282.83,181.63 283.21,182.01 306.83,182.01 307.21,181.63 307.34,154.83 306.45,153.94
(no net) on Bottom: 321.43,4.59 321.3,5.35 321.17,5.73 320.79,6.37 320.29,6.75 319.4,7 316.74,7 315.84,6.62 315.34,6.12 314.96,5.48 314.83,4.84 314.83,4.21 314.96,3.7 315.21,3.19 315.59,2.69 315.97,2.43 316.48,2.18 317.5,2.05 319.15,2.05 320.29,2.43 320.92,3.07 321.3,3.83
Net-(C5-Pad2) on Top: 54.48,153.82 54.48,155.21 54.86,155.72 86.74,155.97 86.74,153.56 81.66,153.56 81.28,152.8 81.15,144.67 79.25,143.28 78.1,144.55 79.25,145.69 79.25,152.67 78.61,153.56 54.86,153.31
Net-(CR1-+) on Bottom: 92.71,150.89 86.61,150.89 86.61,146.7 92.71,146.7
Net-(Q3-E) on Top: 189.86,181.5 190.88,182.26 238.5,182.26 239.27,181.38 239.52,133.88 238.38,132.99 190.62,132.73 189.74,133.62 189.86,181.38
Net-(Z1-FC) on Top: 244.73,137.05 245.36,136.29 249.43,136.29 252.09,139.34 251.97,150.51 252.47,151.02 256.16,151.02 256.16,149.75 253.87,149.75 253.36,149.12 253.36,137.31 251.46,135.15 244.09,135.15 243.46,136.42
Net-(Z2-ILIM) on Top: 290.83,140.86 290.83,139.59 285.24,139.59 284.1,142.89 284.1,149.12 279.65,154.58 271.27,154.58 267.59,149.88 264.28,149.88 264.41,151.15 266.82,151.15 270.51,155.72 281.18,155.72 285.37,150.39 285.49,143.15 286.26,140.86

## Text on the board
Bottom: Replicated By: / RetroStack / Marcel Erz
Top: E1A
F.Silkscreen: I | V | Z | 23 | 74 | I32 | I57 | CG | UPD | 367 | K | UA723C | 22 | CI7 | CI8 | 93 | 32 | 92 | 36 | 49 | 67 | S | 57 | 75452 | R5I | I2 | 7 | CR | RI09 | I75 | 08 | 04 | 20 | I66 | I53 | I74 | 30 | 33 | Z6I | C5I | JP | CI | I0 | R | R7I | HD | C | R4I | 39 | 4I6C | SN | C4I | Z5I | Z3I | B | 780 | 5 | Q | CRI | 4 | RI6 | RI0I | RI08 | R2I | RI8 | RI9 | CI3 | C3I | RI7 | C7I | R3I | TC | - | + | CI9 | JPI0 | RI3 | RI5 | I5 | Z2I | ZI7 | O | A | LS | 0 | I4 | 02 | LC | 2II4 | 245 | I39 | 244 | I9 | CI0 | I3 | CI2 | CI5 | CI4 | RPI | CI6 | RI4 | GND | I6 | I8 | CN | 00 | 9 | 4I | RII0 | LM | JI | M | J | 2 | N | D | E | P | H | II | T | 80
